# Altium PCB 3CHOE.PcbDoc (part 1 of 3)
Units mm, origin at the board's own origin, x right, y up, seen from the top; angles counter-clockwise.
Board outline 120.98 x 120.98 mm, 2 copper layers (Top Layer, Bottom Layer); 206 components, 141 nets, 709 pads, 2434 vias.
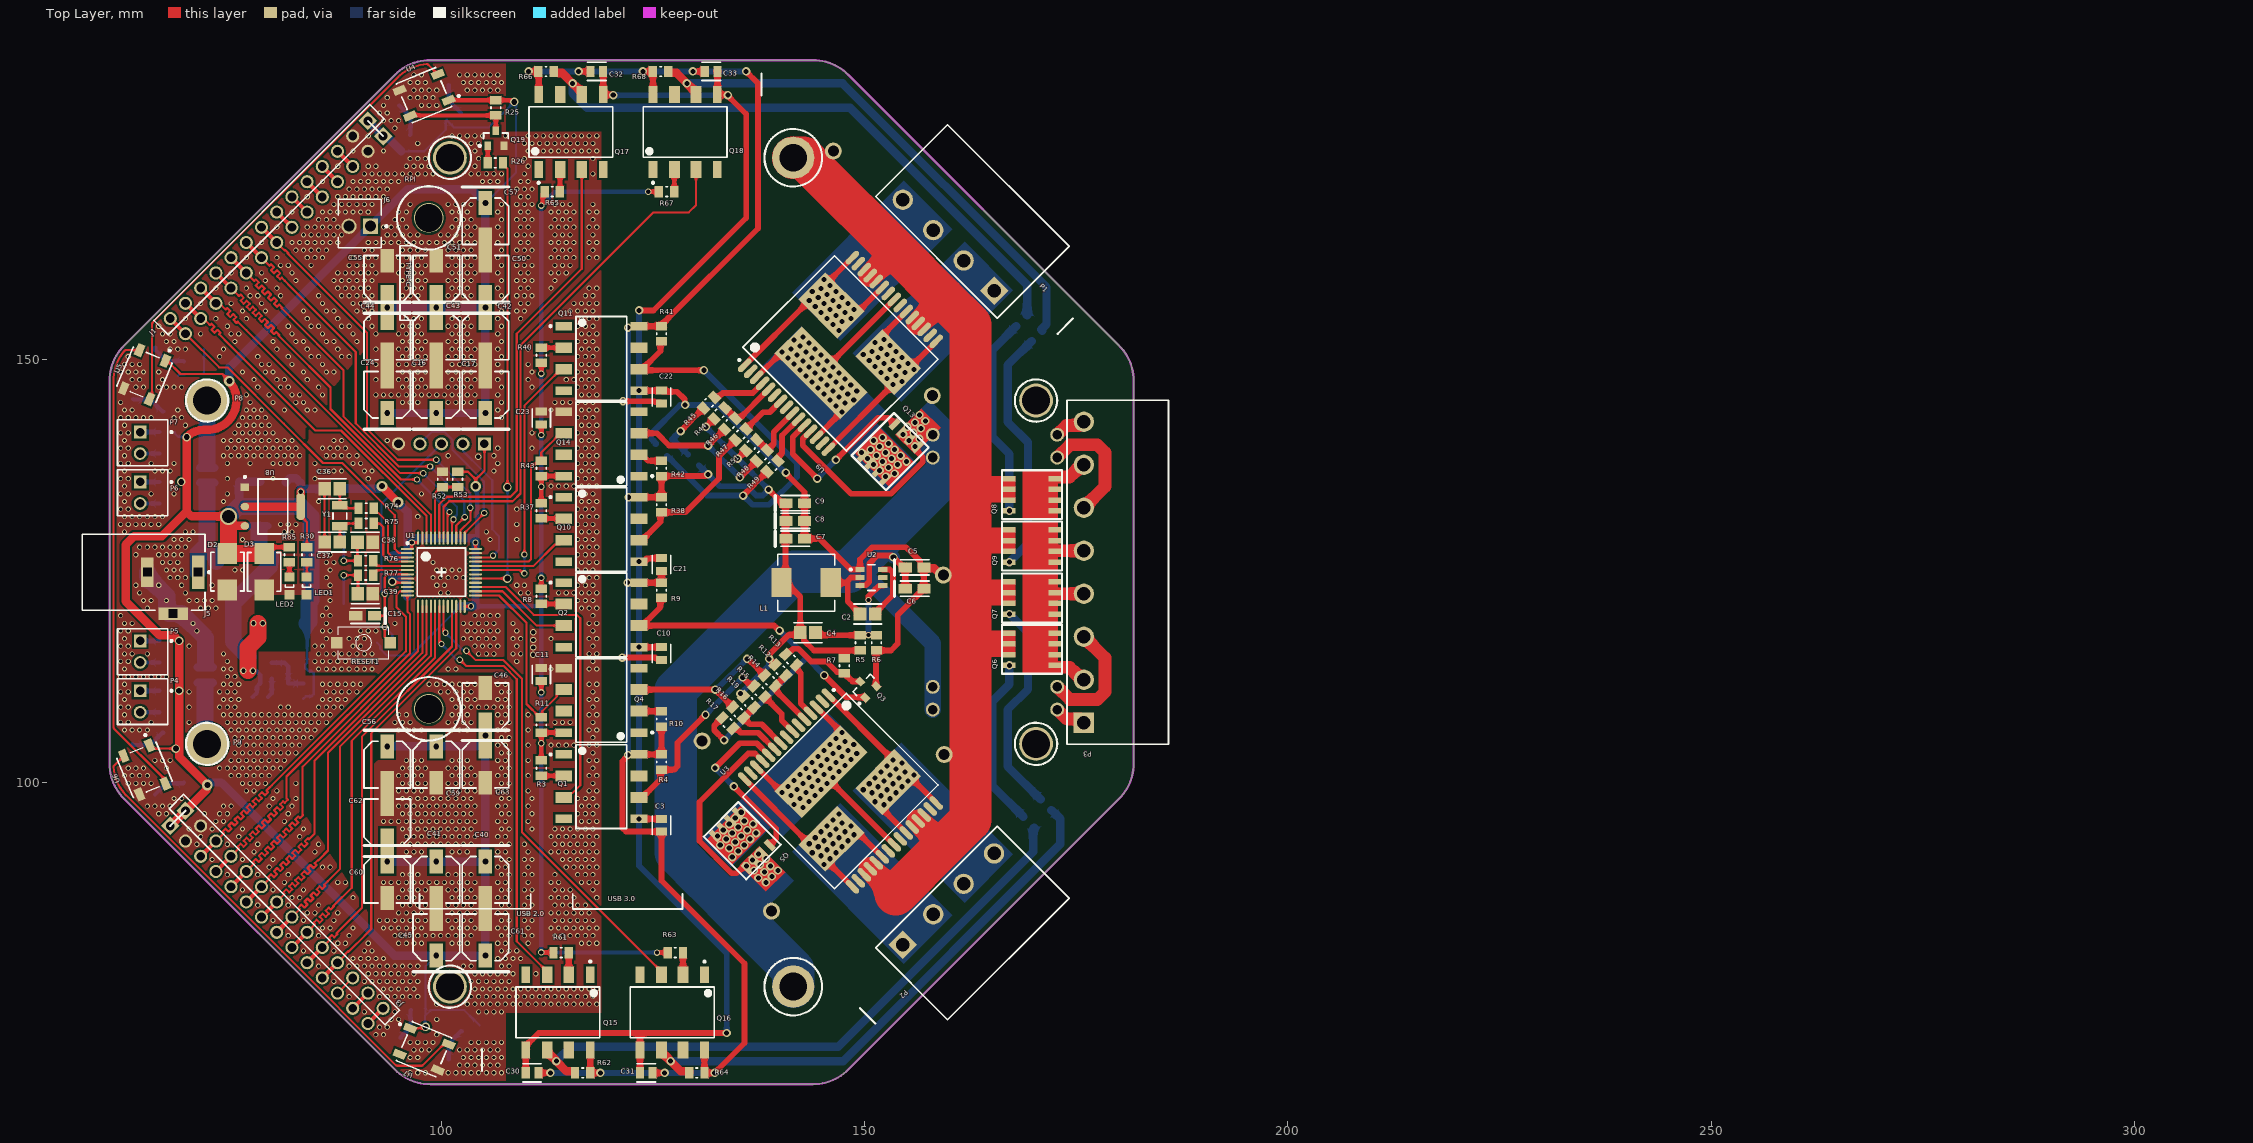
[diagram p0: Top Layer view]
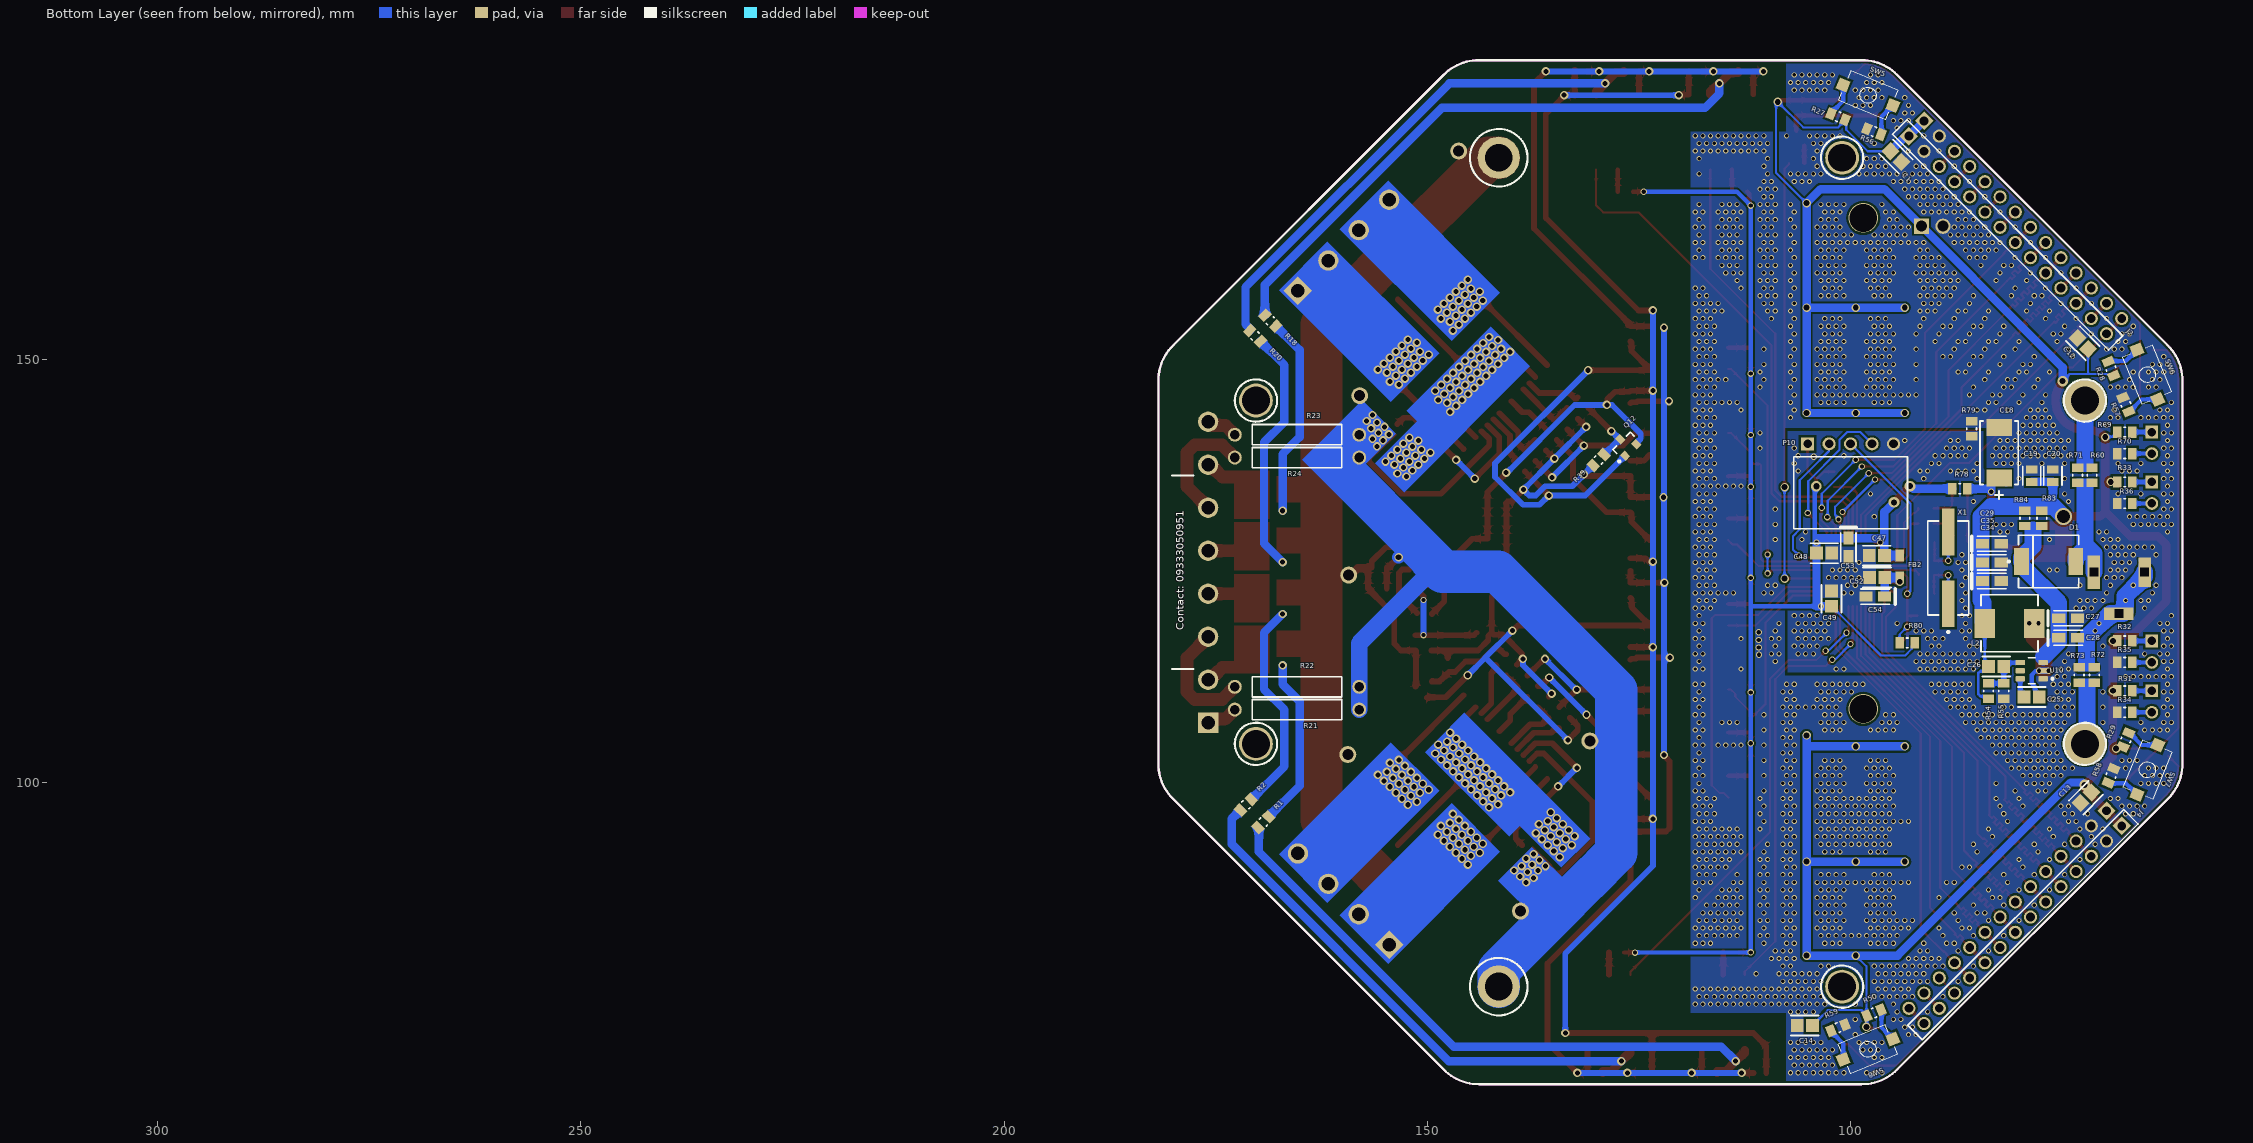
[diagram p1: Bottom Layer view, seen from below]
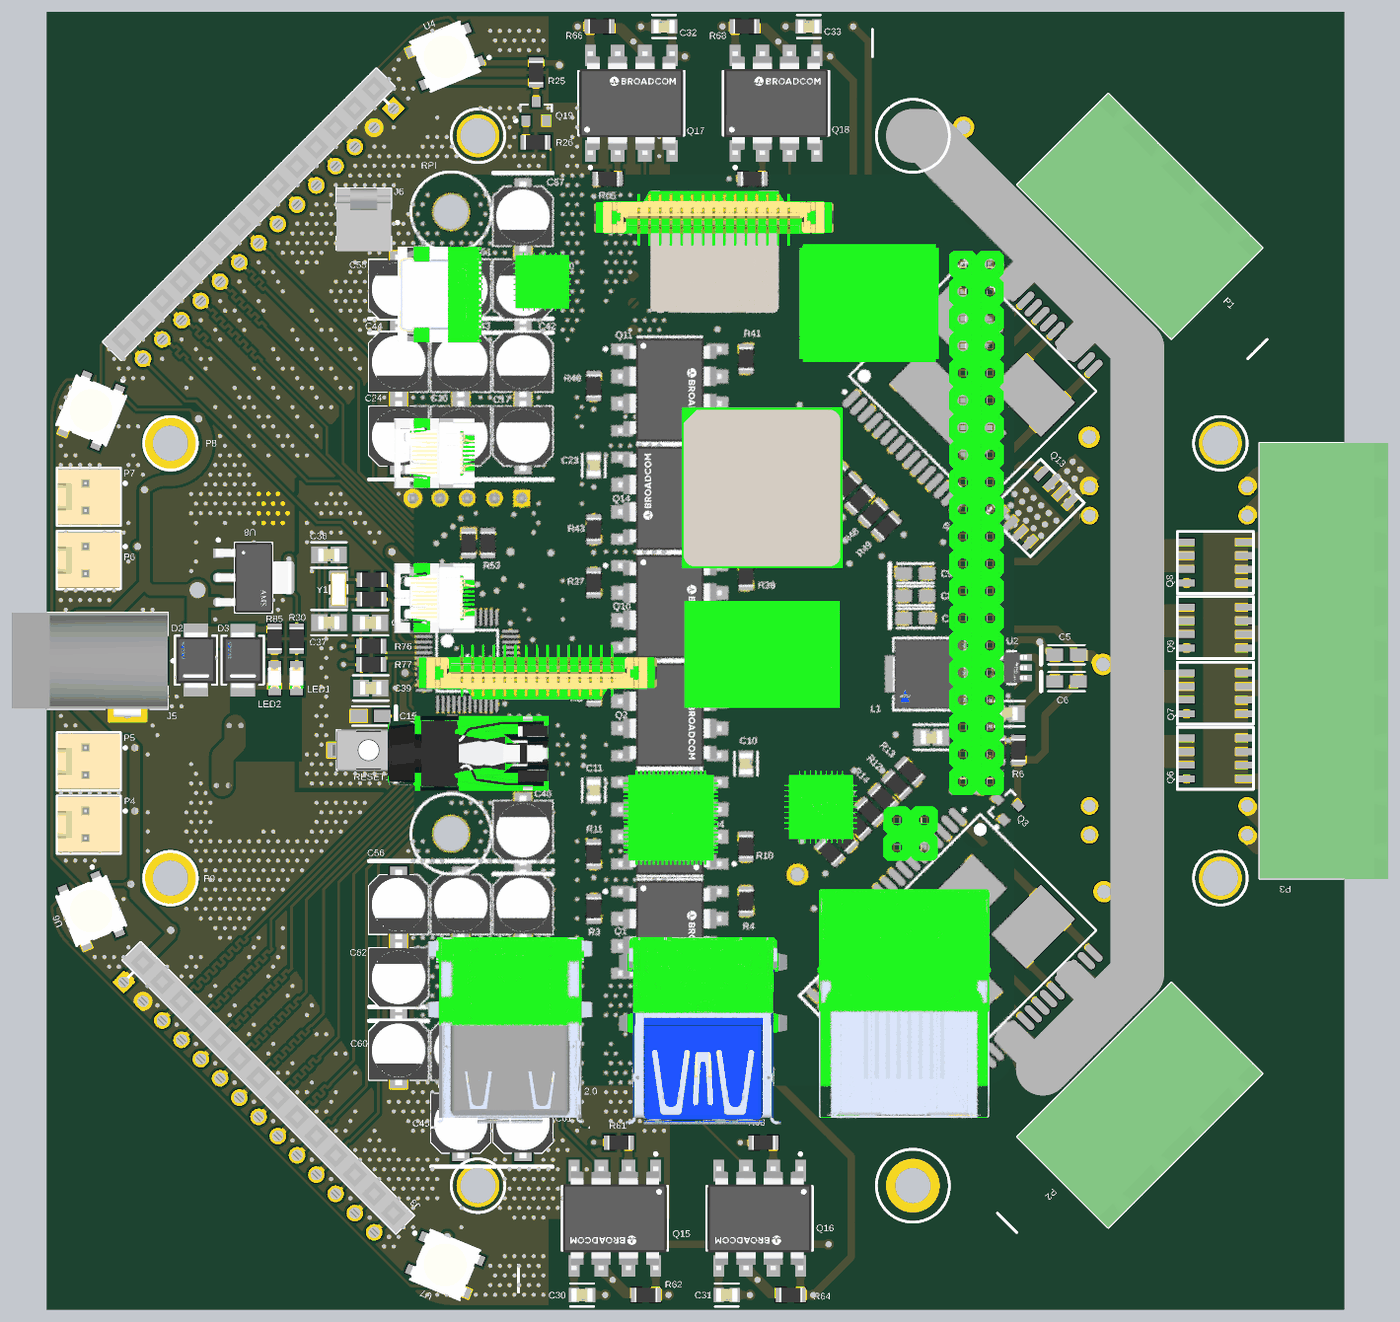
[diagram p4: 3D render of the assembled board from above, using the file's embedded part models]
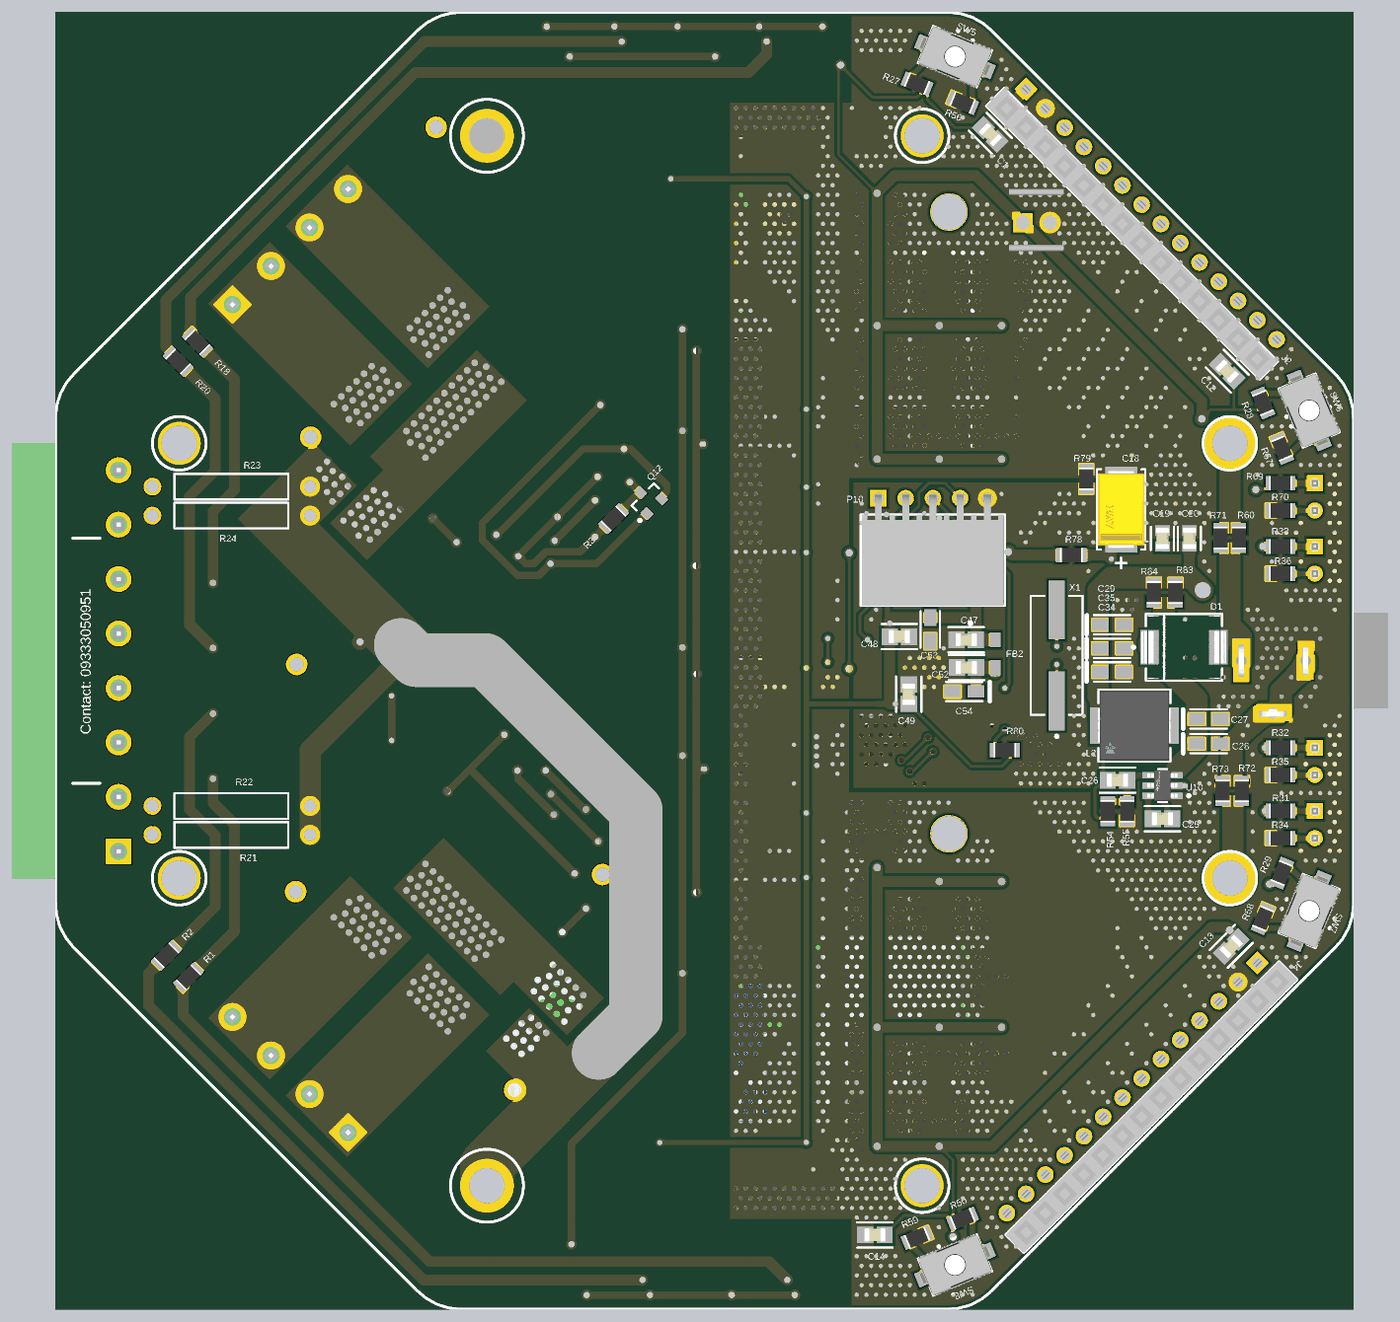
[diagram p5: 3D render of the assembled board from below, using the file's embedded part models]

## Layer stack, top to bottom
Top Solder: solder mask 0.0102, Solder Resist, Dk 3.5
Top Layer: signal copper 0.0356
Dielectric 1: dielectric 0.32, FR-4, Dk 4.8
Bottom Layer: signal copper 0.0356
Bottom Solder: solder mask 0.0102, Solder Resist, Dk 3.5

## Board outline
94.482,66.099 62.542,98.04 cw(c66.545,102.167) 61.233,99.967 cw(c66.545,102.167) 60.796,102.256 60.796,147.428 cw(c66.545,147.515) 61.233,149.715 cw(c66.545,147.515) 62.543,151.644 94.484,183.584 cw(c98.611,179.581) 96.411,184.893 cw(c98.611,179.581) 98.7,185.33 143.872,185.33 cw(c143.959,179.581) 146.159,184.893 cw(c143.959,179.581) 148.088,183.583 180.028,151.642 cw(c176.025,147.515) 181.337,149.715 cw(c176.025,147.515) 181.774,147.426 181.774,102.254 cw(c176.025,102.167) 181.337,99.967 cw(c176.025,102.167) 180.027,98.038 148.086,66.098 cw(c143.959,70.101) 146.159,64.789 cw(c143.959,70.101) 143.87,64.352 98.698,64.352 cw(c98.611,70.101) 96.411,64.789 cw(c98.611,70.101)

## Design rules (kind name [scope] priority, off if disabled: settings)
Clearance [All] p1: gap=0.2 ignorepadtopadclearanceinfootprint=FALSE except(0.254: Arc-Poly Track-Poly SMDPad-Poly THPad-Poly Via-Poly Fill-Poly; 0.4: Poly-Poly)
Height [All] p1: minheight=0 maxheight=254 prefheight=12.7
HoleSize [All] p1: absolutevalues=TRUE maxlimit=10 minlimit=0.025 maxpercent=80.000 minpercent=20.000
Length "Schematic Length Constraint" [InNetClass('Port2')] p1: maxlimit=50 minlimit=48
Length "Schematic Length Constraint_3" [InNetClass('Port1SPI')] p2: maxlimit=51 minlimit=49
Length "Schematic Length Constraint_2" [InNetClass('Port1')] p3: maxlimit=43 minlimit=42
Length [InNetClass('Port')] p4: maxlimit=61 minlimit=60
MatchedLengths "Schematic Matched Net Lengths_2" [InNet('PB5')] p1: tolerance=2 checknetsindiffpair=FALSE checkdiffpairvsdiffpair=TRUE checkxsignals=TRUE checkothers=TRUE
MatchedLengths "Schematic Matched Net Lengths_1" [InNetClass('Port1')] p2: tolerance=1 checknetsindiffpair=FALSE checkdiffpairvsdiffpair=TRUE checkxsignals=TRUE checkothers=TRUE
MatchedLengths "Schematic Matched Net Lengths" [InNet('UART_RX')] p3: tolerance=2 checknetsindiffpair=FALSE checkdiffpairvsdiffpair=TRUE checkxsignals=TRUE checkothers=TRUE
MinimumSolderMaskSliver [All] p1: minsoldermaskwidth=0
PolygonConnect [All] p1: connectstyle=Direct reliefconductorwidth=0.254 reliefentries=4 polygonreliefangle="45 Angle" airgapwidth=0.254
RoomDefinition 3CHOE [InComponentClass('3CHOE')] p1: confinementstyle=ConfineIn formatcopy=TRUE lockcomponents=TRUE outline 56.575,62.95 187.675,62.95 187.675,186.375 56.575,186.375
RoutingVias [All] p1: holewidth=0.711 width=1.27 viastyle="Through Hole" minholewidth=0.711 minwidth=1.27 maxholewidth=0.711 maxwidth=1.27
SilkToSilkClearance [All] p1: silktosilkclearance=0
SilkToSolderMaskClearance [IsPad] p1: minsilkscreentomaskgap=0 clearancetoexposedcopper=TRUE
SolderMaskExpansion [All] p1: expansion=0.102
Width [All] p1: maxlimit=10 minlimit=0.254 preferedwidth=0.254
25 further rules are at their usual default settings.

## Classes and differential pairs
net class Port2: PA1 PA2 PA3 PA4 PA5 PA6 PA7 UART_RX UART_TX
net class Port1SPI: PB3 PB4 PB5
net class Port1: PB8 PB9

## Components (designator, comment, footprint, x,y, rotation, side; value= is the part's Value field where it differs from the comment)
C1 "100nF" FP-C0805C-DN-IPC_A 94.64,173.939 r45 bottom
C2 "100nF" FP-C0805C-DN-IPC_A 150.351,119.9 r180 top
C3 "100nF" FP-C0805C-DN-MFG 126,94.94 r90 top
C4 "68pF" FP-C0805C-DN-IPC_A 143.3,117.7 r0 top
C5 "10uF" KEMT-A-3216-18-2_L 155.9,125.4 r0 top
C6 "10uF" KEMT-A-3216-18-2_L 155.9,122.9 r0 top
C7 "10uF" KEMT-A-3216-18-2_L 141.8,128.8 r0 top
C8 "10uF" KEMT-A-3216-18-2_L 141.8,130.9 r0 top
C9 "10uF" KEMT-A-3216-18-2_L 141.8,132.999 r0 top
C10 "100nF" FP-C0805C-DN-MFG 126,115.24 r270 top
C11 "100nF" FP-C0805C-DN-MFG 111.8,112.76 r90 top
C12 "100nF" FP-C0805C-DN-IPC_A 72.566,151.864 r225 bottom
C13 "100nF" FP-C0805C-DN-IPC_A 72.187,98.196 r135 bottom
C14 "100nF" FP-C0805C-DN-IPC_A 105.408,71.283 r180 bottom
C15 "1uF" KEMT-A-3216-18-2_L 90.974,119.687 r180 top
C16 "220uF" PNSC-FP-V-C_V 99.4,145.8 r90 top locked
C17 "220uF" PNSC-FP-V-C_V 105.2,145.8 r90 top locked
C18 "100uF" FP-TAJD-MFG 82.454,138.952 r270 bottom value=330uF
C19 "10 pF" FP-C0805C-DN-MFG 78.6,136.25 r270 bottom
C20 "10 nF" FP-C0805C-DN-MFG 76.1,136.25 r270 bottom
C21 "100nF" FP-C0805C-DN-MFG 126,125.75 r90 top
C22 "100nF" FP-C0805C-DN-MFG 126,145.54 r270 top
C23 "100nF" FP-C0805C-DN-MFG 111.8,143.06 r90 top
C24 "220uF" PNSC-FP-V-C_V 93.6,145.8 r90 top locked
C25 "100nF" FP-C0805C-DN-IPC_A 78.6,110.1 r180 bottom locked
C26 "100pF" FP-C0805C-DN-IPC_A 82.801,113.7 r180 bottom locked
C27 "10uF" KEMT-A-3216-18-2_L 74.3,119.4 r180 bottom locked
C28 "10uF" KEMT-A-3216-18-2_L 74.3,117.1 r180 bottom locked
C29 "22uF" KEMT-A-3216-18-2_L 83.3,128.2 r180 bottom locked
C30 "100nF" FP-C0805C-DN-MFG 110.71,65.682 r180 top locked
C31 "100nF" FP-C0805C-DN-MFG 124.21,65.682 r180 top locked
C32 "100nF" FP-C0805C-DN-MFG 118.36,184 r0 top locked
C33 "100nF" FP-C0805C-DN-MFG 131.86,184 r0 top locked
C34 "22uF" KEMT-A-3216-18-2_L 83.3,126 r180 bottom locked
C35 "22uF" KEMT-A-3216-18-2_L 83.3,123.8 r180 bottom locked
C36 "20 pF" FP-C0805C-DN-IPC_A 87.099,134.7 r180 top locked
C37 "20 pF" FP-C0805C-DN-IPC_A 87.099,128.4 r180 top locked
C38 "20 pF" FP-C0805C-DN-IPC_A 90.974,128.383 r0 top locked
C39 "20 pF" FP-C0805C-DN-IPC_A 90.999,122.3 r0 top locked
C40 "220uF" PNSC-FP-V-C_V 105.2,88.5 r270 top locked
C41 "220uF" PNSC-FP-V-C_V 99.4,88.5 r270 top locked
C42 "220uF" PNSC-FP-V-C_V 105.2,152.7 r270 top locked
C43 "220uF" PNSC-FP-V-C_V 99.4,152.7 r270 top locked
C44 "220uF" PNSC-FP-V-C_V 93.6,152.7 r270 top locked
C45 "220uF" PNSC-FP-V-C_V 99.4,81.7 r90 top locked
C46 "220uF" PNSC-FP-V-C_V 105.2,109 r90 top locked
C47 "100nF" FP-C0805C-DN-IPC_A 96.9,126.8 r180 bottom
C48 "100nF" FP-C0805C-DN-IPC_A 103.124,127.091 r0 bottom
C49 "100nF" FP-C0805C-DN-IPC_A 102.25,121.717 r270 bottom
C50 "220uF" PNSC-FP-V-C_V 105.2,159.5 r90 top locked
C51 "220uF" PNSC-FP-V-C_V 99.4,159.5 r90 top locked
C52 "100nF" FP-C0805C-DN-IPC_A 96.876,124.216 r180 bottom
C53 "4.7uF" KEMT-A-3216-18-2_L 100.251,127.767 r270 bottom
C54 "1uF" KEMT-A-3216-18-2_L 97.075,121.966 r0 bottom
C55 "220uF" PNSC-FP-V-C_V 93.6,159.5 r90 top locked
C56 "220uF" PNSC-FP-V-C_V 93.6,102.1 r270 top locked
C57 "220uF" PNSC-FP-V-C_V 105.2,166.3 r270 top locked
C59 "220uF" PNSC-FP-V-C_V 99.4,102.1 r270 top locked
C60 "220uF" PNSC-FP-V-C_V 93.6,88.5 r270 top locked
C61 "220uF" PNSC-FP-V-C_V 105.2,81.7 r90 top locked
C62 "220uF" PNSC-FP-V-C_V 93.6,95.3 r90 top locked
C63 "220uF" PNSC-FP-V-C_V 105.2,102.1 r270 top locked
D1 "SS34-E3/57T" FP-95402-MFG 76.6,126.1 r180 bottom locked
D2 "SMBJ5.0CA-13-F" FP-SMB-CA-MFG 74.7,124.9 r90 top locked
D3 "SMBJ5.0CA-13-F" FP-SMB-CA-MFG 79.057,124.892 r90 top locked
FB2 "BLM21RK121SN1D" MURA-BLM21-H1-CHIP-2_V 94.2,125.5 r270 bottom
J1 "SSW-114-01-T-S" SMTC-SSW-114-01-X-S 91.313,178.161 r225 top locked
J2 "SSW-114-01-T-S" SMTC-SSW-114-01-X-S 93.109,176.365 r225 bottom locked
J3 "SSW-114-01-T-S" SMTC-SSW-114-01-X-S 69.761,96.665 r315 top locked
J4 "SSW-114-01-T-S" SMTC-SSW-114-01-X-S 67.965,94.869 r315 bottom locked
J5 "NEB 21 R" LUMB-NEB21R_V 64.809,124.841 r270 top locked
J6 "640456-2" TECO-640456-2_V 90.346,165.716 r0 top
L1 "15uH" FP-IHLP-2525CZ-FP_2_413x3-MFG 143.1,123.6 r180 top
L2 "15uH" FP-IHLP-2525CZ-FP_2_413x3-MFG 81.221,118.8 r0 bottom locked
LED1 "150080SS75000" 0805_A 82.035,123.225 r90 top locked
LED2 "150080SS75000" 0805_A 84.074,123.225 r90 top
P1 "691312510004" 691312510004 162.732,166.288 r135 top locked
P2 "691312510004" 691312510004 162.732,83.394 r45 top locked
P3 "691312510008" 691312510008 179.9,124.841 r90 top locked
P4 "61900211121" 61900211121 64.7,109.557 r90 top locked
P5 "61900211121" 61900211121 64.7,115.452 r90 top locked
P6 "61900211121" 61900211121 64.7,134.23 r90 top locked
P7 "61900211121" 61900211121 64.7,140.125 r90 top locked
P8 "Plug" Screw-5-3.3 74.605,142.837 r90 top
P9 "Plug" Screw-5-3.3 74.605,102.273 r90 top
P10 "Header 5" "STM32 PR" 107.05,129.75 r180 bottom locked
Q1 "6N137-300E" FP-6N137-300E-MFG 118.9,99.5 r270 top
Q2 "6N137-300E" FP-6N137-300E-MFG 118.9,119.8 r270 top
Q3 "IRLML2502TRPBF" INTR-SOT-23-3_V 150.1,111.3 r45 top
Q4 "6N137-300E" FP-6N137-300E-MFG 118.9,109.7 r90 top
Q5 "STL160NS3LLH7" "PowerFLAT™ 5x6 WF" 135.963,87.625 r45 top
Q6 "STL160NS3LLH7" "PowerFLAT™ 5x6 WF" 165.586,119.324 r270 top locked
Q7 "STL160NS3LLH7" "PowerFLAT™ 5x6 WF" 165.586,125.394 r270 top locked
Q8 "STL160NS3LLH7" "PowerFLAT™ 5x6 WF" 165.586,137.594 r270 top locked
Q9 "STL160NS3LLH7" "PowerFLAT™ 5x6 WF" 165.586,131.524 r270 top locked
Q10 "6N137-300E" FP-6N137-300E-MFG 118.9,129.9 r270 top
Q11 "6N137-300E" FP-6N137-300E-MFG 118.9,150.1 r270 top
Q12 "IRLML2502TRPBF" INTR-SOT-23-3_V 126.6,139.9 r135 bottom
Q13 "STL160NS3LLH7" "PowerFLAT™ 5x6 WF" 158.501,139.519 r135 top
Q14 "6N137-300E" FP-6N137-300E-MFG 118.9,140 r90 top
Q15 "6N137-300E" FP-6N137-300E-MFG 113.77,72.832 r180 top locked
Q16 "6N137-300E" FP-6N137-300E-MFG 127.27,72.832 r180 top locked
Q17 "6N137-300E" FP-6N137-300E-MFG 115.3,176.85 r0 top locked
Q18 "6N137-300E" FP-6N137-300E-MFG 128.8,176.85 r0 top locked
Q19 "IRLML2502TRPBF" INTR-SOT-23-3_V 106.425,176.1 r0 top
R1 "390" RESC2013X60X35NL10T20 169.386,95.314 r315 bottom locked
R2 "390" RESC2013X60X35NL10T20 171.436,97.364 r315 bottom locked